# Altium PCB SNI_PROTO.PcbDoc (part 1 of 2)
Units mil, origin at the board's own origin, x right, y up, seen from the top; angles counter-clockwise.
Board outline 4370.08 x 3177.17 mil, 2 copper layers (Top Layer, Bottom Layer); 99 components, 88 nets, 695 pads, 177 vias.
Unrouted connection lines stored in the file: 1.
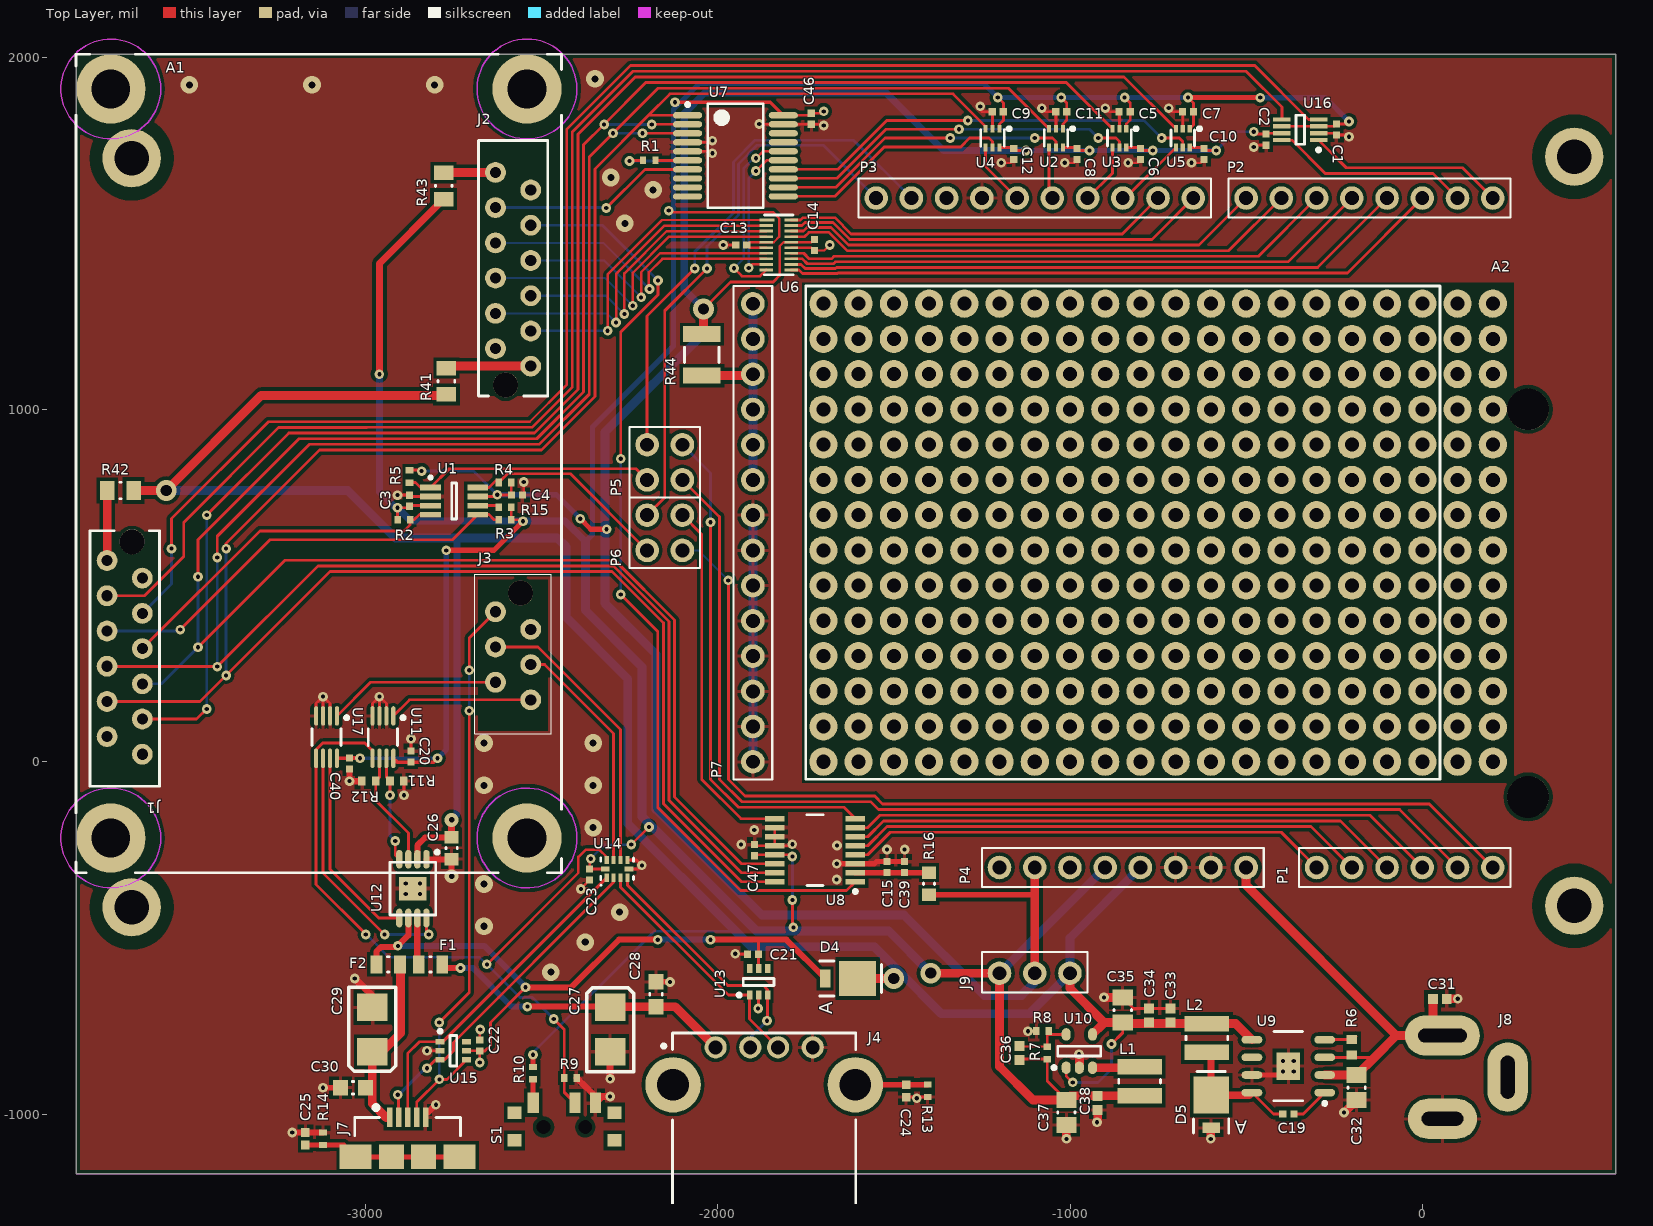
[diagram p0: Top Layer view]
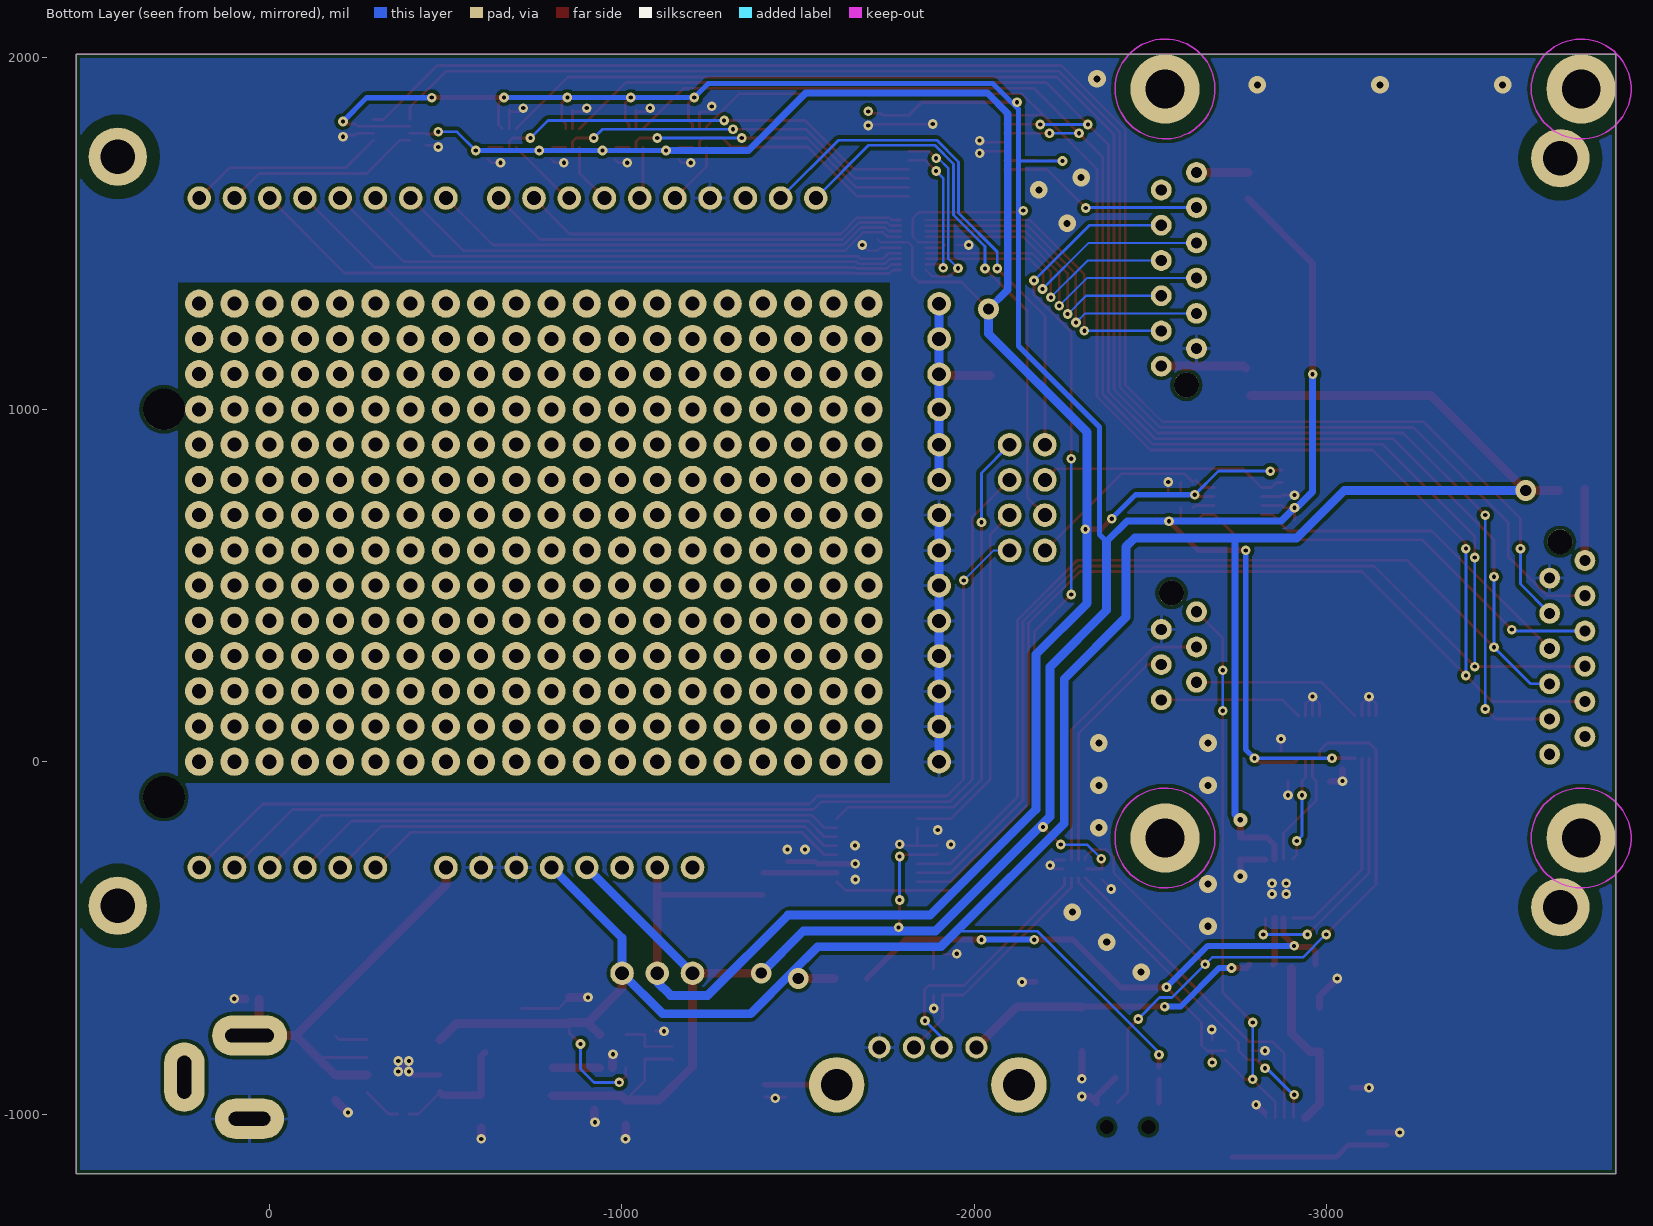
[diagram p1: Bottom Layer view, seen from below]

## Layer stack, top to bottom
Top Solder: solder mask 0.4, Solder Resist, Dk 3.5
Top Layer: signal copper 1.4
Dielectric 1: dielectric 12.6, FR-4, Dk 4.8
Bottom Layer: signal copper 1.4
Bottom Solder: solder mask 0.4, Solder Resist, Dk 3.5

## Board outline
-3820.87,2008.27 549.21,2008.27 549.21,-1168.9 -3820.87,-1168.9

## Design rules (kind name [scope] priority, off if disabled: settings)
Clearance "PolyGon Pour Clearance" [InPolyGon] p1: gap=10
Clearance [All] p2: gap=6
ComponentClearance ComponentClearance_1 [InComponent('A2')] p1: gap=0 collisioncheckmode=3 verticalgap=0 showdistances=FALSE
ComponentClearance [InComponent('A1')] p2: gap=0 collisioncheckmode=3 verticalgap=0 showdistances=FALSE
DiffPairsRouting [All] p1: maxlimit=10 minlimit=7.99 mostfreqgap=10 toplayer_minwidth=7.99 toplayer_maxwidth=15 toplayer_prefwidth=7.99 bottomlayer_minwidth=7.99 bottomlayer_maxwidth=15 bottomlayer_prefwidth=7.99 maxuncoupledlength=500
HoleSize [All] p1: absolutevalues=TRUE maxlimit=314.96 minlimit=1 maxpercent=80.000 minpercent=20.000
MinimumSolderMaskSliver SilkscreenOverComponentPads [All] p2: minsoldermaskwidth=10
PolygonConnect ViaConnect [IsVia] p1: connectstyle=Direct reliefconductorwidth=10 reliefentries=4 polygonreliefangle="90 Angle" airgapwidth=10
PolygonConnect PolygonConnect_1 [All] p2: connectstyle=Relief reliefconductorwidth=10 reliefentries=4 polygonreliefangle="90 Angle" airgapwidth=10
RoutingVias [All] p1: holewidth=19.68 width=47.24 viastyle="Through Hole" minholewidth=11.81 minwidth=27.56 maxholewidth=39.37 maxwidth=66.93
SilkToSolderMaskClearance [IsPad] p1: minsilkscreentomaskgap=3.94 clearancetoexposedcopper=TRUE
SolderMaskExpansion [All] p1: expansion=4
Width [All] p1: maxlimit=50 minlimit=6 preferedwidth=8
25 further rules are at their usual default settings.

## Classes and differential pairs
component class power: C19 C31 C32 C33 C34 C35 C36 C37 C38 D4 D5 J8 J9 L1 L2 R6 R7 R8 R41 R42 U9 U10
component class SNI_PROTO_sch: C1 C2 C3 C4 C5 C6 C7 C8 C9 C10 C11 C12 C13 C14 C15 C39 C46 C47 J1 J2 P1 P2 P3 P4 P5 P6 P7 R1 R2 R3 R4 R5 R15 R16 R43 R44 U1 U2 U3 U4 U5 U6 U7 U8 U16
component class USB: C20 C21 C22 C23 C24 C25 C26 C27 C28 C29 C30 C40 F1 F2 J3 J4 J7 R9 R10 R11 R12 R13 R14 S1 U11 U12 U13 U14 U15 U17
differential pair USB1: +USB1_P -USB1_N
differential pair USB2: +USB2_P -USB2_N
differential pair USB: +USB_P -USB_N

## Components (designator, comment, footprint, x,y, rotation, side; value= is the part's Value field where it differs from the comment)
A1 "SNP-STM1" SNP-STM1 -3131.89,846.43 r90 top
A2 "AUno" PCBComponent_1 -750,650 r0 top
C1 "CAP 100nF 10V 0402(1005)" CAPC0402(1005)60_L -243.63,1794.64 r270 top
C2 "CAP 100nF 10V 0402(1005)" CAPC0402(1005)60_L -443.63,1765.64 r270 top
C3 "CAP 100nF 10V 0402(1005)" CAPC0402(1005)60_L -2874.63,740.64 r90 top
C4 "CAP 100nF 10V 0402(1005)" CAPC0402(1005)60_L -2569.63,757.31 r0 top
C5 "CAP 100nF 10V 0402(1005)" CAPC0402(1005)60_L -845,1845 r180 top
C6 "CAP 100nF 10V 0402(1005)" CAPC0402(1005)60_L -800,1725 r270 top
C7 "CAP 100nF 10V 0402(1005)" CAPC0402(1005)60_L -665,1845 r180 top
C8 "CAP 100nF 10V 0402(1005)" CAPC0402(1005)60_L -980,1725 r270 top
C9 "CAP 100nF 10V 0402(1005)" CAPC0402(1005)60_L -1205,1845 r0 top
C10 "CAP 100nF 10V 0402(1005)" CAPC0402(1005)60_L -620,1725 r90 top
C11 "CAP 100nF 10V 0402(1005)" CAPC0402(1005)60_L -1025,1845 r0 top
C12 "CAP 100nF 10V 0402(1005)" CAPC0402(1005)60_L -1160,1725 r90 top
C13 "CAP 100nF 10V 0402(1005)" CAPC0402(1005)60_L -1933.1,1466.65 r0 top
C14 "CAP 100nF 10V 0402(1005)" CAPC0402(1005)60_L -1725.43,1466.64 r90 top
C15 "CAP 100nF 10V 0402(1005)" CAPC0402(1005)60_L -1519.09,-299.02 r270 top
C19 "CAP 100nF 10V 0402(1005)" CAPC0402(1005)60_L -380.2,-1000.2 r180 top
C20 "CAP 100nF 10V 0402(1005)" CAPC0402(1005)60_L -2870.2,14.8 r270 top
C21 "CAP 100nF 10V 0402(1005)" CAPC0402(1005)60_L -1899.61,-546.22 r0 top
C22 "CAP 100nF 10V 0402(1005)" CAPC0402(1005)60_L -2675.2,-805.2 r270 top
C23 "CAP 100nF 10V 0402(1005)" CAPC0402(1005)60_L -2363.78,-319.88 r90 top
C24 "CAP 10nF 50V 0402(1005)" CAPC0402(1005)60_N -1465.16,-934.06 r90 top
C25 "CAP 10nF 50V 0402(1005)" CAPC0402(1005)60_N -3170.2,-1070.2 r270 top
C26 "CAP 2.2uF 16V 0603(1608)" CAPC0603(1608)100_N -2755.2,-245.2 r90 top
C27 "replace with 120uF" AVX-CAPC3528_V -2305.2,-760.2 r270 top
C28 "CAP 470pF 16V 0603(1608)" CAPC0603(1608)100_M -2175.2,-660.2 r270 top
C29 "replace with 120uF" AVX-CAPC3528_V -2980.2,-760.2 r90 top
C30 "CAP 470pF 16V 0603(1608)" CAPC0603(1608)100_M -3035.2,-925.2 r0 top
C31 "CAP 100nF 50V 0402(1005)" CAPC0402(1005)60_M 49.56,-673.14 r0 top
C32 "10uF" CAPC0805(2012)145_N -186.44,-925.14 r90 top
C33 "CAP 100nF 50V 0402(1005)" CAPC0402(1005)60_M -715.2,-720.2 r270 top
C34 "CAP 100nF 50V 0402(1005)" CAPC0402(1005)60_M -775.2,-720.2 r270 top
C35 "10uF" CAPC0805(2012)145_N -850.44,-705.14 r270 top
C36 "CAP 18pF 50V 0402(1005)" CAPC0402(1005)60_M -1143.7,-826.38 r270 top
C37 "10uF" CAPC0805(2012)145_N -1010.44,-995.14 r90 top
C38 "CAP 100nF 50V 0402(1005)" CAPC0402(1005)60_M -921.44,-969.14 r90 top
C39 "CAP 1uF 10V 0402(1005)" CAPC0402(1005)60_L -1469.88,-299.02 r270 top
C40 "CAP 100nF 10V 0402(1005)" CAPC0402(1005)60_L -3045.2,-5.2 r90 top
C46 "CAP 100nF 10V 0402(1005)" CAPC0402(1005)60_L -1734.2,1824.8 r270 top
C47 "CAP 100nF 10V 0402(1005)" CAPC0402(1005)60_L -1895.28,-250.98 r90 top
D4 "MBRM110ET1G" "CASE 457–04" -1630.2,-615.2 r180 top
D5 "SSB43L" "CASE 457–04" -599.44,-974.14 r270 top
F1 "MF-PSMF050X-2" RESC0805(2012)_L -2815.2,-575.2 r0 top
F2 "MF-PSMF050X-2" RESC0805(2012)_L -2935.2,-575.2 r0 top
J1 "TMM-3-0-12-1" TMM-3-0-12-1 -3683.07,295.67 r270 top
J2 "TMM-3-0-12-1" TMM-3-0-12-1 -2580.71,1398.03 r90 top
J3 "TMM-3-0-06-1" Micro-Match_6pin -2580.71,295.67 r90 top
J4 "MC32593" MC32593 -1868.11,-916.93 r0 top locked
J7 "10104111-0001LF" 10104111-0001LF -2879.92,-1121.65 r90 top locked
J8 "PJ-002BH" PJ-002BH 57.09,-777.17 r270 top locked
J9 "PRPC003SAAN-RC" PRPC003SAAN-RC -1100.2,-600.2 r180 top
L1 "EPL3015-222" EPL3015-222_L -802.44,-907.14 r270 top
L2 "4.7uH" EPL3015-222_L -611.44,-784.14 r90 top
P1 "ANALOG" H6A 199.8,-300.2 r180 top
P2 "DIGITAL" H8A 199.8,1599.8 r180 top
P3 "DIGITAL2" H10A -650.2,1599.8 r180 top
P4 "POWER" H8A -500.2,-300.2 r180 top
P5 "Header 2x2" H2x2 -2100.2,899.8 r270 top
P6 "Header 2x2" H2x2 -2100.2,699.8 r270 top
P7 "Header14" H14 -1900.2,-0.2 r90 top
R1 "10K 1% 0402(1005)" RESC0402(1005)_L -2194.2,1706.8 r180 top
R2 "2K2 1% 0402(1005)" RESC0402(1005)_L -2890.63,686.64 r180 top
R3 "2K2 1% 0402(1005)" RESC0402(1005)_L -2603.63,686.64 r0 top
R4 "2K2 1% 0402(1005)" RESC0402(1005)_L -2603.63,792.64 r0 top
R5 "2K2 1% 0402(1005)" RESC0402(1005)_L -2874.62,809.8 r90 top
R6 "100K 1% 0402(1005)" RESC0402(1005)_M -200.2,-810.2 r90 top
R7 "1M8 1% 0402(1005)" RESC0402(1005)_L -1064.44,-826.43 r270 top
R8 "402K 1% 0402(1005)" RESC0402(1005)_L -1077.87,-764.44 r0 top
R9 "10K 1% 0402(1005)" RESC0402(1005)_L -2417.91,-897.64 r180 top
R10 "5K6 5% 0402(1005)" RESC0402(1005)_L -2524.21,-883.86 r90 top
R11 "10K 1% 0402(1005)" RESC0402(1005)_N -2990.2,-55.2 r0 top
R12 "10K 1% 0402(1005)" RESC0402(1005)_N -2910.2,-55.2 r180 top
R13 "1M  1% 0402(1005)" RESC0402(1005)_L -1404.13,-934.06 r90 top
R14 "1M  1% 0402(1005)" RESC0402(1005)_L -3120.2,-1070.2 r270 top
R15 "100K 1% 0402(1005)" RESC0402(1005)_L -2603.62,721.98 r180 top
R16 "10R 1% 0603(1608)" RESC0603(1608)_N -1400.2,-346.46 r270 top
R41 "Jumper 0805(2012)" RESC0805(2012)_N -2770.2,1079.8 r270 top
R42 "Jumper 0805(2012)" RESC0805(2012)_N -3695.2,769.8 r0 top
R43 "Jumper 0805(2012)" RESC0805(2012)_N -2777.56,1634.25 r270 top
R44 "1R 5% 1210(3225)" RESC1210(3225)_N -2045.2,1154.8 r270 top
S1 "PCM12SMTR" "PCM12SMTR switch footprint" -2435.04,-968.11 r0 top
U1 "TCA9406" LSSOP-8 -2748.09,739.91 r0 top
U2 "SN74LVC1T45" SOT6_DRL -1040,1770 r270 top
U3 "SN74LVC1T45" SOT6_DRL -860,1770 r270 top
U4 "SN74LVC1T45" SOT6_DRL -1220,1770 r270 top
U5 "SN74LVC1T45" SOT6_DRL -680,1770 r270 top
U6 "TXB0108" UFDFN-20 -1826.8,1466.65 r270 top
U7 "MCP23S08-E/SS" SSOP-SS20_N -1949.63,1719.64 r0 top
U8 "ADC128S022" TSSOP16 -1723.62,-251.18 r180 top
U9 "ADP2302" SOP127P600-8N#1 -380.44,-864.14 r180 top
U10 "NCP1529ASNT1G" SOT-23-5_L -973.53,-821.18 r90 top
U11 "74LVC2G53" VSSOP8_SOT765-1 -2950.2,69.8 r270 top
U12 "AP2152A" SOP127P600-8N#2 -2865.2,-360.2 r270 top
U13 "PRTR5V0U4Y,125" SOT363_L -1883.86,-624.96 r90 top
U14 "TS3USB221" RSE10 -2285.44,-304.14 r90 top
U15 "PRTR5V0U4Y,125" SOT363_L -2750.2,-820.2 r0 top
U16 "TXB0102" VSSOP8 -346.63,1793.64 r180 top
U17 "74LVC2G53" VSSOP8_SOT765-1 -3110.2,69.8 r270 top

## Footprints (in the part's own frame and the unit in brackets; to place one, negate y for a bottom-side part, rotate by r counter-clockwise, add the part's x,y. Pads: shape width x height; smd on the part's side, far side on the other; paste and mask are expansions set on the pad)
10104111-0001LF [mm]
  rect 1.4x0.4 smd: 1(2.85,1.3) 2(2.85,0.65) 3(2.85,0) 4(2.85,-0.65) 5(2.85,-1.3)
  rect 1.778x2.3 smd: 6(0,-3.75) 7(0,3.75)
  rect 1.778x1.8 smd: 8(0,1.15) 9(0,-1.15)
  silkscreen extent 1.52,-3.81 3.68,3.81, body extent -2.78,-4.4 2.85,4.4, height 2.76
AVX-CAPC3528_V [mm] "SMT Capacitor, 2 Leads, Body 3.5x2.8mm"
  rect 2x2.2 smd: 1(-1.6,0) 2(1.6,0)
  silkscreen extent -3,-1.7 3.05,1.7, body extent -1.79,-1.54 1.8,1.54, height 1.9
CAPC0402(1005)60_L [mm] "Chip Capacitor, Body 1.0x0.5mm, Height 0.6mm, IPC High Density"
  rect 0.52x0.52 smd: 1(-0.4,0) 2(0.4,0)
  body extent -0.55,-0.3 0.55,0.3, height 0.6
CAPC0402(1005)60_M [mm] "Chip Capacitor, Body 1.0x0.5mm, Height 0.6mm, IPC Low Density"
  rect 0.72x0.72 smd: 1(-0.5,0) 2(0.5,0)
  body extent -0.55,-0.3 0.55,0.3, height 0.6
CAPC0402(1005)60_N [mm] "Chip Capacitor, Body 1.0x0.5mm, Height 0.6mm, IPC Medium Density"
  rect 0.62x0.62 smd: 1(-0.45,0) 2(0.45,0)
  body extent -0.55,-0.3 0.55,0.3, height 0.6
CAPC0603(1608)100_M [mm] "Chip Capacitor, Body 1.6x0.8mm, Height 1.0mm, IPC Low Density"
  rect 1.1x1.1 smd: 1(-0.9,0) 2(0.9,0)
  silkscreen extent -0.05,-0.45 0.05,0.45, body extent -0.87,-0.47 0.88,0.48, height 1
CAPC0603(1608)100_N [mm] "Chip Capacitor, Body 1.6x0.8mm, Height 1.0mm, IPC Medium Density"
  rect 0.9x1 smd: 1(-0.8,0) 2(0.8,0)
  silkscreen extent -0.05,-0.4 0.05,0.4, body extent -0.87,-0.48 0.88,0.47, height 1
CAPC0805(2012)145_N [mm] "Chip Capacitor, Body 2.0x1.2mm, Height 1.45mm, IPC Medium Density"
  rect 1.15x1.45 smd: 1(-0.9,0) 2(0.9,0)
  silkscreen extent -0.05,-0.62 0.05,0.63, body extent -1.1,-0.72 1.1,0.73, height 1.45
"CASE 457–04" [mil] "Powermite, Plastic Package, 2.05 x 3.90 mm"
  rect 105.12x100 smd: 1(-27.56,0)
  rect 30x50 smd: 2(65,0)
  silkscreen extent -95,-50 80,50, body extent -78,-40 75,40, height 45
EPL3015-222_L [mm] "Inductor, Shielded, SMT, EPL3015 Series, 3 x 3 x 1.55 mm"
  rect 1.12x3.2 smd: 1(-1.04,0) 2(1.04,0)
  silkscreen extent -0.13,-1.5 0.13,1.5, body extent -1.6,-1.6 1.6,1.6, height 1.55
H2x2 [mm]
  round 1.7 hole 1: 1(0,0) 2(2.54,0) 3(0,-2.54) 4(2.54,-2.54)
  silkscreen extent -1.27,-3.81 3.81,1.27, body extent -1.27,-3.81 3.81,1.27, height 9.27
H6A [mm]
  round 1.7 hole 1: 1(0,0) 2(2.54,0) 3(5.08,0) 4(7.62,0) 5(10.16,0) 6(12.7,0)
  silkscreen extent -1.27,-1.4 13.97,1.4, body extent -1.27,-1.27 13.97,1.27, height 8.5
H8A [mm]
  round 1.7 hole 1: 1(0,0) 2(2.54,0) 3(5.08,0) 4(7.62,0) 5(10.16,0) 6(12.7,0) 7(15.24,0) 8(17.78,0)
  silkscreen extent -1.27,-1.4 19.05,1.4, body extent -1.27,-1.27 19.05,1.27, height 8.5
H10A [mm]
  round 1.7 hole 1: 1(0,0) 2(2.54,0) 3(5.08,0) 4(7.62,0) 5(10.16,0) 6(12.7,0) 7(15.24,0) 8(17.78,0) 9(20.32,0) 10(22.86,0)
  silkscreen extent -1.27,-1.42 24.13,1.4, body extent -1.27,-1.27 24.13,1.27, height 8.5
H14 [mm]
  round 1.7 hole 1: 1(0,0) 2(2.54,0) 3(5.08,0) 4(7.62,0) 5(10.16,0) 6(12.7,0) 7(15.24,0) 8(17.78,0) 9(20.32,0) 10(22.86,0) 11(25.4,0) 12(27.94,0) 13(30.48,0) 14(33.02,0)
  silkscreen extent -1.27,-1.4 34.29,1.4, body extent -1.4,-1.25 34.41,1.25, height 8.5
LSSOP-8 [mm]
  rect 1.5x0.4 smd mask+0.07: 1(-1.7,0.975) 2(-1.7,0.325) 3(-1.7,-0.325) 4(-1.7,-0.975) 5(1.7,-0.975) 6(1.7,-0.325) 7(1.7,0.325) 8(1.7,0.975)
  silkscreen extent -1.8,-1.3 0.18,1.8, body extent -2.1,-1.52 2.1,1.53, height 1.3
MC32593 [mm] "USB, Type A, Right Angle, THT"
  round 1.6 hole 1: 1(-3.5,2.7) 2(-1,2.7) 3(1,2.7) 4(3.5,2.7)
  round 4 hole 2.3: 5(6.57,0) 6(-6.57,0)
  silkscreen extent -7.37,-10.26 6.6,3.74, body extent -8.12,-10.26 8.12,3.74, height 7.67
Micro-Match_6pin [mm] "Micro-Match male 6 pin  Through Hole Vertical, Pitch 1.27mm"
  round 1.8 hole 1.8 paste+0 mask+0: 0(4.648,-0.533)
  round 1.5 hole 0.8: 1(3.302,1.27) 2(2.032,-1.27) 3(0.762,1.27) 4(-0.508,-1.27) 5(-1.778,1.27) 6(-3.048,-1.27)
  silkscreen extent -5.5,-2.75 6,2.75, body extent -5.21,-2.5 5.59,2.5, height 6.8
PCBComponent_1 [mil]
  round 80 hole 40: 0(-950,650) 1(-850,650) 2(-750,650) 3(-650,650) 4(-550,650) 5(-450,650) 6(-350,650) 7(-250,650) 8(-150,650) 9(-50,650) 10(50,650) 11(150,650) 12(250,650) 13(350,650) 14(450,650) 15(550,650) 16(650,650) 17(750,650) 18(850,650) 19(950,650) 20(-950,550) 21(-850,550) 22(-750,550) 23(-650,550) 24(-550,550) 25(-450,550) 26(-350,550) 27(-250,550) 28(-150,550) 29(-50,550) 30(50,550) 31(150,550) 32(250,550) 33(350,550) 34(450,550) 35(550,550) 36(650,550) 37(750,550) 38(850,550) 39(950,550) 40(-950,450) 41(-850,450) 42(-750,450) 43(-650,450) 44(-550,450) 45(-450,450) 46(-350,450) 47(-250,450) 48(-150,450) 49(-50,450) 50(50,450) 51(150,450) 52(250,450) 53(350,450) 54(450,450) 55(550,450) 56(650,450) 57(750,450) 58(850,450) 59(950,450) 60(-950,350) 61(-850,350) 62(-750,350) 63(-650,350) 64(-550,350) 65(-450,350) 66(-350,350) 67(-250,350) 68(-150,350) 69(-50,350) 70(50,350) 71(150,350) 72(250,350) 73(350,350) 74(450,350) 75(550,350) 76(650,350) 77(750,350) 78(850,350) 79(950,350) 80(-950,250) 81(-850,250) 82(-750,250) 83(-650,250) 84(-550,250) 85(-450,250) 86(-350,250) 87(-250,250) 88(-150,250) 89(-50,250) 90(50,250) 91(150,250) 92(250,250) 93(350,250) 94(450,250) 95(550,250) 96(650,250) 97(750,250) 98(850,250) 99(950,250) 100(-950,150) 101(-850,150) 102(-750,150) 103(-650,150) 104(-550,150) 105(-450,150) 106(-350,150) 107(-250,150) 108(-150,150) 109(-50,150) 110(50,150) 111(150,150) 112(250,150) 113(350,150) 114(450,150) 115(550,150) 116(650,150) 117(750,150) 118(850,150) 119(950,150) 120(-950,50) 121(-850,50) 122(-750,50) 123(-650,50) 124(-550,50) 125(-450,50) 126(-350,50) 127(-250,50) 128(-150,50) 129(-50,50) 130(50,50) 131(150,50) 132(250,50) 133(350,50) 134(450,50) 135(550,50) 136(650,50) 137(750,50) 138(850,50) 139(950,50) 140(-950,-50) 141(-850,-50) 142(-750,-50) 143(-650,-50) 144(-550,-50) 145(-450,-50) 146(-350,-50) 147(-250,-50) 148(-150,-50) 149(-50,-50) 150(50,-50) 151(150,-50) 152(250,-50) 153(350,-50) 154(450,-50) 155(550,-50) 156(650,-50) 157(750,-50) 158(850,-50) 159(950,-50) 160(-950,-150) 161(-850,-150) 162(-750,-150) 163(-650,-150) 164(-550,-150) 165(-450,-150) 166(-350,-150) 167(-250,-150) 168(-150,-150) 169(-50,-150) 170(50,-150) 171(150,-150) 172(250,-150) 173(350,-150) 174(450,-150) 175(550,-150) 176(650,-150) 177(750,-150) 178(850,-150) 179(950,-150) 180(-950,-250) 181(-850,-250) 182(-750,-250) 183(-650,-250) 184(-550,-250) 185(-450,-250) 186(-350,-250) 187(-250,-250) 188(-150,-250) 189(-50,-250) 190(50,-250) 191(150,-250) 192(250,-250) 193(350,-250) 194(450,-250) 195(550,-250) 196(650,-250) 197(750,-250) 198(850,-250) 199(950,-250) 200(-950,-350) 201(-850,-350) 202(-750,-350) 203(-650,-350) 204(-550,-350) 205(-450,-350) 206(-350,-350) 207(-250,-350) 208(-150,-350) 209(-50,-350) 210(50,-350) 211(150,-350) 212(250,-350) 213(350,-350) 214(450,-350) 215(550,-350) 216(650,-350) 217(750,-350) 218(850,-350) 219(950,-350) 220(-950,-450) 221(-850,-450) 222(-750,-450) 223(-650,-450) 224(-550,-450) 225(-450,-450) 226(-350,-450) 227(-250,-450) 228(-150,-450) 229(-50,-450) 230(50,-450) 231(150,-450) 232(250,-450) 233(350,-450) 234(450,-450) 235(550,-450) 236(650,-450) 237(750,-450) 238(850,-450) 239(950,-450) 240(-950,-550) 241(-850,-550) 242(-750,-550) 243(-650,-550) 244(-550,-550) 245(-450,-550) 246(-350,-550) 247(-250,-550) 248(-150,-550) 249(-50,-550) 250(50,-550) 251(150,-550) 252(250,-550) 253(350,-550) 254(450,-550) 255(550,-550) 256(650,-550) 257(750,-550) 258(850,-550) 259(950,-550) 260(-950,-650) 261(-850,-650) 262(-750,-650) 263(-650,-650) 264(-550,-650) 265(-450,-650) 266(-350,-650) 267(-250,-650) 268(-150,-650) 269(-50,-650) 270(50,-650) 271(150,-650) 272(250,-650) 273(350,-650) 274(450,-650) 275(550,-650) 276(650,-650) 277(750,-650) 278(850,-650) 279(950,-650)
  silkscreen extent -1000,-700 800,700
"PCM12SMTR switch footprint" [mm] "PCM12SMTR switch footprint"
  rect 1x0.9 smd: 0(-3.6,-2.7) 0(-3.6,-0.7) 0(3.6,-2.7) 0(3.6,-0.7)
  round 0.5 on Top Overlay: 0(-3.24,0.503)
  rect 0.5x0.5 hole 1: 0(-1.5,-1.75) 0(1.5,-1.75)
  rect 0.8x1.5 smd: 1(-2.25,0) 2(0.75,0) 3(2.25,0)
  body extent -3.37,-4.5 3.38,-0.5, height 1.4
PJ-002BH [mm]
  oval 2.9x5.4 hole 1 slot 3.5 at 90 deg: 1(0,0)
  oval 2.9x5 hole 1 slot 3 at 90 deg: 2(6,0)
  oval 5x2.9 hole 1 slot 3.1 at 0 deg: 3(3,4.7)
  silkscreen extent 13,-4.7 13.7,4.7, body extent -0.7,-4.6 13.7,4.8, height 11
PRPC003SAAN-RC [mm] "Pin header 3 pin 2.54 mm pitch"
  round 1.7 hole 1: 1(-2.54,0) 2(0,0) 3(2.54,0)
  silkscreen extent -3.81,-1.52 3.81,1.4, body extent -3.81,-1.52 3.81,1.4, height 8.51
RESC0402(1005)_L [mm] "Chip Resistor, Body 1.0x0.5mm, IPC High Density"
  rect 0.45x0.55 smd: 1(-0.45,0) 2(0.45,0)
  body extent -0.52,-0.27 0.53,0.28, height 0.4
RESC0402(1005)_M [mm] "Chip Resistor, Body 1.0x0.5mm, IPC Low Density"
  rect 0.65x0.75 smd: 1(-0.55,0) 2(0.55,0)
  body extent -0.52,-0.28 0.53,0.28, height 0.4
RESC0402(1005)_N [mm] "Chip Resistor, Body 1.0x0.5mm, IPC Medium Density"
  rect 0.55x0.65 smd: 1(-0.5,0) 2(0.5,0)
  body extent -0.52,-0.27 0.53,0.28, height 0.4
RESC0603(1608)_N [mm] "Chip Resistor, Body 1.6x0.8mm, IPC Medium Density"
  rect 0.9x1 smd: 1(-0.8,0) 2(0.8,0)
  silkscreen extent -0.05,-0.4 0.05,0.4, body extent -0.85,-0.47 0.85,0.47, height 0.6
RESC0805(2012)_L [mm] "Chip Resistor, Body 2.0x1.3mm, IPC High Density"
  rect 0.85x1.3 smd: 1(-0.85,0) 2(0.85,0)
  silkscreen extent -0.05,-0.55 0.05,0.55, body extent -1.1,-0.67 1.1,0.68, height 0.7
RESC0805(2012)_N [mm] "Chip Resistor, Body 2.0x1.3mm, IPC Medium Density"
  rect 1.05x1.4 smd: 1(-0.95,0) 2(0.95,0)
  silkscreen extent -0.05,-0.6 0.05,0.6, body extent -1.1,-0.67 1.1,0.68, height 0.7
RESC1210(3225)_N [mm] "Chip Resistor, Body 3.2x2.5mm, IPC Medium Density"
  rect 1.15x2.7 smd: 1(-1.5,0) 2(1.5,0)
  silkscreen extent -0.55,-1.25 0.55,1.25, body extent -1.7,-1.35 1.7,1.35, height 0.71
RSE10 [mm] "QFN, 10-Leads, Body 1.5x2mm, Pitch 0.5mm, TI Recommended"
  rect 0.58x0.3 smd paste-0.025 mask+0.05: 1(-0.64,0.75) 2(-0.64,0.25) 3(-0.64,-0.25) 4(-0.64,-0.75) 6(0.64,-0.75) 7(0.64,-0.25) 8(0.64,0.25) 9(0.64,0.75)
  rect 0.35x0.63 smd paste-0.025 mask+0.05: 5(0,-0.86) 10(0,0.86)
  silkscreen extent -1.22,-1.17 0.77,1.22, body extent -0.77,-1.02 0.78,1.03, height 0.6
SNP-STM1 [mm]
  round 5 hole 2.8: 0(-27,-15) 0(-27,15) 0(27,-15) 0(27,15)
  Top Layer keep-out circle w0.102: c27,15 r3.6
  Top Layer keep-out circle w0.102: c-27,15 r3.6
  Top Layer keep-out lines w0.102: 26.375,-11.455 cw(c27,-15) 27.035,-18.6 cw(c27,-15) 27,-18.6 cw(c27,-15) 25.21,-18.124 cw(c27,-15) 24.828,-17.871 cw(c27,-15) 26.375,-11.455 ; -28.55,-11.751 cw(c-27,-15) -25.45,-11.751 cw(c-27,-15) -25.376,-11.787 cw(c-27,-15) -27,-18.6 cw(c-27,-15) -28.624,-11.787 cw(c-27,-15) -28.55,-11.751
  Bottom Layer keep-out circle w0.102: c27,15 r3.6
  Bottom Layer keep-out circle w0.102: c-27,15 r3.6
  Bottom Layer keep-out circle w0.102: c-27,-15 r3.6
  Bottom Layer keep-out lines w0.102: 25.268,-18.156 cw(c27,-15) 27,-18.6 cw(c27,-15) 25.268,-18.156
  silkscreen extent -29.5,-17.5 29.5,17.5
SOP127P600-8N#1 [mm]
  oval 1.5x0.55 smd: 1(-2.625,1.905) 2(-2.625,0.635) 3(-2.625,-0.635) 4(-2.625,-1.905) 5(2.625,-1.905) 6(2.625,-0.635) 7(2.625,0.635) 8(2.625,1.905)
  rect 1.7x2 smd: 9(0,0)
  silkscreen extent -2.75,-2.5 1.02,2.8, body extent -3,-2.45 3,2.45, height 1.7
SOP127P600-8N#2 [mm]
  oval 1.35x0.45 smd: 1(-2.117,0.975) 2(-2.117,0.325) 3(-2.117,-0.325) 4(-2.117,-0.975) 5(2.117,-0.975) 6(2.117,-0.325) 7(2.117,0.325) 8(2.117,0.975)
  rect 1.7x2 smd: 9(0,0)
  silkscreen extent -2.75,-1.65 1.9,1.88, body extent -2.45,-1.5 2.45,1.5, height 1.15
SOT6_DRL [mm]
  rect 0.55x0.3 smd mask+0.05: 1(-0.675,0.5) 2(-0.675,0) 3(-0.675,-0.5) 4(0.675,-0.5) 5(0.675,0) 6(0.675,0.5)
  silkscreen extent -0.8,-0.85 0.58,1.33, body extent -0.8,-0.8 0.8,0.8, height 0.6
SOT363_L [mm] "SOT363, 6-Leads, Body 2x1.3mm, Pitch 0.65mm, Lead Span 2.1mm, IPC High Density"
  rect 0.65x0.4 smd: 1(-0.95,0.65) 2(-0.95,0) 3(-0.95,-0.65) 4(0.95,-0.65) 5(0.95,0) 6(0.95,0.65)
  silkscreen extent -1.07,-1.1 0.25,1.52, body extent -0.7,-1.1 0.7,1.1, height 1.1
SOT-23-5_L [mm] "SOT23, 5-Leads, Body 2.9x1.6mm, Pitch 0.95mm, Lead Span 2.7mm, IPC High Density"
  oval 0.9x0.65 smd: 1(-1.2,0.95) 2(-1.2,0) 3(-1.2,-0.95) 4(1.2,-0.95) 5(1.2,0.95)
  silkscreen extent -1.32,-1.55 0.35,1.95, body extent -0.9,-1.55 0.9,1.55, height 1.45
SSOP-SS20_N [mm] "SOP, 20-Leads, Body 7.2x5.2mm, Pitch 0.65mm, IPC Medium Density"
  oval 2.1x0.45 smd: 1(-3.45,2.925) 2(-3.45,2.275) 3(-3.45,1.625) 4(-3.45,0.975) 5(-3.45,0.325) 6(-3.45,-0.325) 7(-3.45,-0.975) 8(-3.45,-1.625) 9(-3.45,-2.275) 10(-3.45,-2.925) 11(3.45,-2.925) 12(3.45,-2.275) 13(3.45,-1.625) 14(3.45,-0.975) 15(3.45,-0.325) 16(3.45,0.325) 17(3.45,0.975) 18(3.45,1.625) 19(3.45,2.275) 20(3.45,2.925)
  silkscreen extent -3.57,-3.75 2,3.82, body extent -2.7,-3.75 2.7,3.75, height 2
TMM-3-0-12-1 [mm]
  round 1.5 hole 0.8: 1(-6.996,-1.27) 2(-5.726,1.27) 3(-4.456,-1.27) 4(-3.186,1.27) 5(-1.916,-1.27) 6(-0.646,1.27) 7(0.624,-1.27) 8(1.894,1.27) 9(3.164,-1.27) 10(4.434,1.27) 11(5.704,-1.27) 12(6.974,1.27)
  round 1.8 hole 1.8 unplated paste+0 mask+0: ""(-8.345,0.535)
  silkscreen extent -9.14,-2.5 9.27,2.5, body extent -9.21,-2.5 9.21,2.5, height 6.93
TSSOP16 [mm]
  rect 1.4x0.4 smd mask+0.05: 1(-2.9,2.275) 2(-2.9,1.625) 3(-2.9,0.975) 4(-2.9,0.325) 5(-2.9,-0.325) 6(-2.9,-0.975) 7(-2.9,-1.625) 8(-2.9,-2.275) 9(2.9,-2.275) 10(2.9,-1.625) 11(2.9,-0.975) 12(2.9,-0.325) 13(2.9,0.325) 14(2.9,0.975) 15(2.9,1.625) 16(2.9,2.275)
  silkscreen extent -3.03,-2.55 0.58,3.1, body extent -3.2,-2.5 3.2,2.5, height 1.1
UFDFN-20 [mm] "R-PUSON 20 PIN"
  rect 0.2x1.1 smd: 1(-1.8,-0.85)
  rect 0.2x1 smd: 2(-1.4,-0.9) 3(-1,-0.9) 4(-0.6,-0.9) 5(-0.2,-0.9) 6(0.2,-0.9) 7(0.6,-0.9) 8(1,-0.9) 9(1.4,-0.9) 10(1.8,-0.9) 11(1.8,0.9) 12(1.4,0.9) 13(1,0.9) 14(0.6,0.9) 15(0.2,0.9) 16(-0.2,0.9) 17(-0.6,0.9) 18(-1,0.9) 19(-1.4,0.9) 20(-1.8,0.9)
  silkscreen extent -2.15,-1.02 2.15,1.02, body extent -2,-1 2,1, height 0.55
VSSOP8 [mm] "TSSOP, 8-Leads, Body 2,00x2,30mm, Pitch 0,50mm, IPC Medium Density"
  rect 1.25x0.3 smd mask+0.05: 1(-1.325,0.75) 2(-1.325,0.25) 3(-1.325,-0.25) 4(-1.325,-0.75) 5(1.325,-0.75) 6(1.325,-0.25) 7(1.325,0.25) 8(1.325,0.75)
  silkscreen extent -1.45,-1.05 0.3,1.57, body extent -1.6,-1.05 1.6,1.05, height 0.9
VSSOP8_SOT765-1 [mm]
  oval 1.4x0.3 smd mask+0.05: 1(-1.527,0.75) 2(-1.527,0.25) 3(-1.527,-0.25) 4(-1.527,-0.75) 5(1.527,-0.75) 6(1.527,-0.25) 7(1.527,0.25) 8(1.527,0.75)
  silkscreen extent -1.52,-1.05 0.6,1.58, body extent -1.62,-1.05 1.62,1.05, height 1

## Part data
A1: "SNP-STM1 Vesna Processor Module, Mechanical PCB Components without Connectors"
C1 C2 C3 C4 C5 C6 C7 C8 C9 C10 C11 C12 C13 C14 C15 C19 C20 C21 C22 C23 C40 C46 C47: library part CMP-1034-02064-1, "CAP 100nF 10V ±5% 0402 (1005 Metric) Thickness 0.6mm SMD"
C24 C25: library part CMP-1034-01886-1, "CAP 10nF 50V ±10% 0402 (1005 Metric) Thickness 0.6mm SMD"
C26: library part CMP-1035-02765-1, "CAP 2.2uF 16V ±20% 0603 (1608 Metric) Thickness 1mm SMD"
C27 C29: library part CMP-0279-00001-1, "Capacitor, Tantalum, 10uF 10% 20V MCCT-B (3528)"
C28 C30: library part CMP-1035-01663-1, "CAP 470pF 16V ±1% 0603 (1608 Metric) Thickness 1mm SMD"
C31 C33 C34 C38: library part CMP-1034-02077-1, "CAP 100nF 50V ±10% 0402 (1005 Metric) Thickness 0.6mm SMD"
C32 C35 C37: library part CMP-1036-04924-1, "CAP 10uF 10V ±20% 0805 (2012 Metric) Thickness 1.45mm SMD"
C36: library part CMP-1034-00862-1, "CAP 18pF 50V ±1% 0402 (1005 Metric) Thickness 0.6mm SMD"
C39: library part CMP-1034-02117-1, "CAP 1uF 10V ±20% 0402 (1005 Metric) Thickness 0.6mm SMD"
D4: "Diode, Schottky Power Rectifier, SMT, 1A, 10V"
D5: library part MBRM110ET1G, "Diode, Schottky Power Rectifier, SMT, 1A, 10V"
F1 F2: "PTC Resettable Fuse"
J1 J2: "PLUG, DIP, 1.27MM, 12WAY"
J3: "Micro-Match male 6 pin  Through Hole Vertical, Pitch 1.27mm"
J4: "USB, Type A, Right Angle, THT"
J7: "Micro USB 2.0, Type AB, Bottom Mount, SMT, Right Angle"
J9: "Pin header male 3 pin  Through Hole Vertical, Pitch 2.54 mm"
L1: "Shielded Power Inductors, 2.2uH, Isat 1.6A @ 30%, Irms 2A @ 40°C, 3 x 3 x 1.5mm"
L2: library part EPL3015-472MLB, "Shielded Power Inductors, 4.7uH, Isat 1.6A @ 30%, Irms 1.4A @ 40°C, 3 x 3 x 1.5mm"
P1: library part header6A
P2 P4: library part Header8A
P3: library part Header10A
P5 P6: library part Header
R1 R9 R11 R12: library part "10K 0402(1005)_1", "10K 0.063W 1% 0402 (1005 Metric)  SMD"
R2 R3 R4 R5: library part "2K2 0402(1005)", "2K2 0.063W 1% 0402 (1005 Metric)  SMD"
R6 R15: library part "100K 0402(1005)", "100K 0.063W 1% 0402 (1005 Metric)  SMD"
R7: library part "1M8 0402(1005)", "1M8 0.063W 1% 0402 (1005 Metric)  SMD"
R8: library part "402K 0402(1005)", "402K 0.063W 1% 0402 (1005 Metric)  SMD"
R10: library part CMP-1011-00092-1, "5K6 0.063W 5% 0402 (1005 Metric)  SMD"
R13 R14: library part "1M 0402(1005)", "1M  0.063W 1% 0402 (1005 Metric)  SMD"
R16: library part "10R 0603(1608)", "10R 0.1W 1% 0603 (1608 Metric)  SMD"
R41 R42 R43: library part CMP-1013-00001-1, "Jumper 0805 (2012 Metric)"
R44: library part CMP-1015-00002-1, "1R 0.5W 5% 1210 (3225 Metric)  SMD"
S1: "slide switch"
U6: "Translator, Bidirectional, 8 bits data rate 100Mbps"
U7: "8-Bit I/O Expander with Serial Interface, 20-Pin SSOP, Extended Temperature"
U10: library part NCP1529A, "1 A, 1.7 MHz Low Voltage Buck Converter"
U13 U15: "Integrated quad ultra-low capacitance ESD protection,  IEC 61000-4-2 level 4, ±8 kV contact discharge"
U14: library part CMP-0309-00017-1, "ESD Protected,High-Speed USB 2.0 (480-Mbps) 1:2 Multiplexer / Demultiplexer Switch, 1:2 Mux / Demux, 6 ohm RON, 2.5 to 3.3V, -40 to 85 degC, 10-Pin UQFN (RSE), Green (RoHS & no Sb/Br)"

## Free pads (board coordinates)
  round 165.35 hole 98.43 mask+0: 0(-3663.39,1712.99) 0(-3663.39,-412.99) 0(431.1,-409.06) 0(431.1,1716.93)
  round 118.11 hole 118.11 unplated paste+0 mask+0: 0(300,1000) 1(300,-100)

## Via types
v1: diameter 27.56, hole 11.81, Top Layer to Bottom Layer, tented both sides, 154 vias
v2: diameter 50, hole 20, Top Layer to Bottom Layer, tented both sides, 17 vias
v3: diameter 59.06, hole 31.5, Top Layer to Bottom Layer, 4 vias
v4: diameter 39.37, hole 15.75, Top Layer to Bottom Layer, 2 vias

## Nets (pads, with @x,y where several pads share a name; then routed paths per layer and width w, separated by ;. In a path a pad name is that pad's centre, name@x,y a point inside that pad or via, vN(x,y) a via of type N, cw(c..) or ccw(c..) an arc to the next point about the centre after c; other vN are vias at no path point)
3V3: C1.1 C3.1 C5.1 C7.1 C9.2 C11.2 C13.2 C20.2 C23.2 C36.2 C37.2 C38.2 C40.2 C46.1 C47.1 J9.3 L1.2 P4.5 R1.2 R2.2 R3.2 R7.2 R15.1 R43.2 U1.3 U2.1 U3.1 U4.1 U5.1 U6.5 U6.6 U7.20 U8.13 U11.8 U14.10 U16.3 U16.6 U17.8 | length 12067.7
  Top Layer w6: U6.6@-1862.23,1458.77 -1909.47,1458.77 C13.2@-1917.35,1466.65 -1909.48,1474.52 U6.5@-1862.23,1474.52
  Top Layer w7: C23.2@-2363.78,-304.13 -2363.78,-278.78 v1(-2360.2,-275.2) ; v1(-2245.2,-235.2) v1(-2195.2,-185.2) ; v1(-2138.96,1564.09) -2134.68,1559.8 -1843.53,1559.8 -1825.2,1541.47 -1825.2,1490.24 -1840.93,1474.52 U6.5@-1862.23,1474.52 ; U3.1@-840.31,1796.57 -840.31,1810.06 -829.25,1821.13 C5.1@-829.25,1845
  Top Layer w8: v1@-3015.31,9.68 v1(-3015.2,9.8) ; R2.2@-2908.34,686.64 -2908.34,720.36 v1(-2908.63,720.64) -2878.88,720.64 C3.1@-2874.63,724.89 -2872.4,727.12 U1.3@-2815.02,727.12 ; R15.1@-2585.91,721.98 R3.2@-2585.91,686.64 -2556.63,686.64 v1(-2552.63,682.64) ; C23.2@-2363.78,-304.13 U14.10@-2319.3,-304.14 ; v1(-2250.2,1704.8) -2248.2,1706.8 R1.2@-2211.91,1706.8 ; C47.1@-1895.28,-261.81 -1893.11,-263.98 U8.13@-1837.8,-263.98 -1792.76,-263.98 v1(-1787.99,-268.75) ; U7.20@-1813.8,1834.8 -1739.95,1834.8 C46.1@-1734.2,1840.55 -1704.45,1840.55 v1(-1699.2,1845.8) ; v1@-1787.99,-467.41 v1(-1787.99,-392.41) ; v1(-1205,1885) -1189.25,1869.25 C9.2@-1189.25,1845 -1189.25,1820.75 -1200.31,1809.68 U4.1@-1200.31,1796.57 ; C36.2@-1143.7,-846.06 -1141.78,-844.14 R7.2@-1064.44,-844.14 -1064.44,-905.71 C37.2@-1010.44,-959.71 ; v1(-1025,1885) -1009.25,1869.25 C11.2@-1009.25,1845 -1009.25,1821.13 -1020.31,1810.06 U2.1@-1020.31,1796.57 ; v1(-845,1885) -829.25,1869.25 C5.1@-829.25,1845 ; v1(-665,1885) -649.25,1869.25 C7.1@-649.25,1845 -649.25,1807.64 U5.1@-660.31,1796.57 ; U16.6@-398.79,1803.48 U16.3@-294.46,1803.48 -250.53,1803.48 C1.1@-243.63,1810.39 -214.8,1810.39 v1(-208.07,1817.12)
  Top Layer w10: U17.8@-3080.67,9.68 -3046.06,9.68 C40.2@-3045.2,10.55 -3016.18,10.55 v1@-3015.31,9.68 ; U11.8@-2920.67,9.68 -2910.04,-0.95 C20.2@-2870.2,-0.95 -2805.94,-0.95 v1(-2795.2,9.8) ; v1(-2121.2,1871.8) -1850.8,1871.8 U7.20@-1813.8,1834.8
  Top Layer w15: v1(-2770.2,599.8) -2635.46,599.8 v1(-2552.63,682.64) ; v1(-665,1885) -460.39,1885 v1(-460.2,1884.8)
  Top Layer w20: v1(-2960.2,1099.8) -2960.2,1414.21 R43.2@-2777.56,1596.85
  Top Layer w25: v3(-1395.2,-600.2) J9.3@-1200.2,-600.2 -1200.2,-865.2 -1105.69,-959.71 C37.2@-1010.44,-959.71 -998.82,-948.09 -921.44,-948.09 L1.2@-802.44,-948.09
  Bottom Layer w7: v1(-2360.2,-275.2) -2320.2,-235.2 v1(-2245.2,-235.2)
  Bottom Layer w8: v1(-2250.2,1704.8) -2130.2,1704.8 -2125.2,1709.8 ; v1(-1787.99,-268.75) v1(-1787.99,-392.41) v1@-1785.2,-395.2
  Bottom Layer w10: v1(-3015.2,9.8) v1(-2795.2,9.8)
  Bottom Layer w15: v1(-2795.2,9.8) -2770.2,34.8 v1(-2770.2,599.8) ; -2375.2,624.8 -2355.2,644.8 -2355.2,949.8 -2125.2,1179.8 -2125.2,1564.09 -2125.2,1709.8 -2125.2,1851.8 -2113.2,1863.8 -2052.2,1924.8 -1244.8,1924.8 v1(-1205,1885) v1(-1025,1885) v1(-845,1885) v1(-665,1885) ; v1(-460.2,1884.8) -275.75,1884.8 v1(-208.07,1817.12)
  Bottom Layer w20: v1(-2960.2,1099.8) -2960.2,766.1 -2914.74,720.64 v1(-2908.63,720.64) -2870.63,682.64 v1(-2552.63,682.64) -2433.04,682.64 -2375.2,624.8
  Bottom Layer w25: -2375.2,624.8 -2375.2,429.8 -2215.2,269.8 -2215.2,-155.2 -2190.2,-180.2 -1890.2,-480.2 -1785.2,-480.2 -1515.2,-480.2 v3(-1395.2,-600.2) ; J9.3@-1200.2,-600.2 P4.5@-900.2,-300.2
  other v1: -1785.2,-470.2
3V3_SNP: J2.12 R43.1 | length 147.2
  Top Layer w25: R43.1@-2777.56,1671.65 -2776.61,1672.61 J2.12@-2630.71,1672.61
5V_SNP: J1.1 J2.1 R41.1 R42.1 | length 446.3
  Top Layer w25: J1.1@-3733.07,571.09 -3732.6,571.57 R42.1@-3732.6,769.8 R42.1@-3732.6,774.8 ; R41.1@-2770.2,1117.2 -2763.98,1123.42 -2531.52,1123.42 J2.1@-2530.71,1122.61
A0: P1.6 U8.4 | length 1377.3
  Top Layer w8: U8.4@-1609.45,-263.98 -1574.26,-263.98 -1510.28,-200 -400.39,-200 P1.6@-300.2,-300.2
A1: P1.5 U8.5 | length 1479.9
  Top Layer w8: U8.5@-1609.45,-238.39 -1574.26,-238.39 -1519.87,-184 -316.39,-184 P1.5@-200.2,-300.2
A2: P1.4 U8.6 | length 1582.6
  Top Layer w8: U8.6@-1609.45,-212.8 -1574.26,-212.8 -1529.46,-168 -232.39,-168 P1.4@-100.2,-300.2
A3: P1.3 U8.7 | length 1685.2
  Top Layer w8: U8.7@-1609.45,-187.2 -1574.26,-187.2 -1539.06,-152 -148.39,-152 P1.3@-0.2,-300.2
A4: P5.1 U8.8 | length 1439.8
  Top Layer w8: v1@-2020.01,679.8 -2020.01,-50.2 -1941.07,-129.13 -1641.93,-129.13 U8.8@-1609.45,-161.61
  Bottom Layer w8: P5.1@-2100.2,899.8 -2020.2,819.8 v1(-2020.2,679.8)
A4A: P1.2 P5.2 | length 3091.2
  Top Layer w8: P5.2@-2100.2,799.8 -1996.42,696.02 ; -1994.82,696.02 -1994.82,-50.2 -1931.63,-113.39 -1566.14,-113.39 -1543.53,-136 -64.39,-136 P1.2@99.8,-300.2
A4B: P3.9 P5.3 | length 1502.5
  Top Layer w8: P5.3@-2200.2,899.8 -2200.2,1264.8 v1(-2065.2,1399.8)
  Bottom Layer w8: v1(-2065.2,1399.8) -2065.2,1447.6 -1955.2,1557.6 -1955.2,1702.5 -1893.89,1763.8 -1614.2,1763.8 P3.9@-1450.2,1599.8
A5: P6.1 U8.9 | length 1026.3
  Top Layer w8: P6.1@-2100.2,699.8 -2045.2,644.8 -2045.2,-50.2 -1933.78,-161.61 U8.9@-1837.8,-161.61
A5A: P1.1 P6.2 | length 3003.4
  Top Layer w6: v1(-1970.2,514.8) -1969.63,514.23 v1@-1969.63,501.64
  Top Layer w8: v1@-1969.63,501.64 -1969.63,-50.2 -1922.18,-97.64 -1554.33,-97.64 -1531.97,-120 19.61,-120 P1.1@199.8,-300.2
  Bottom Layer w6: P6.2@-2100.2,599.8 -2055.2,599.8 v1(-1970.2,514.8)
A5B: P3.10 P6.3 | length 1604.3
  Top Layer w8: P6.3@-2200.2,699.8 -2150.2,749.8 -2150.2,1279.8 v1(-2030.2,1399.8)
  Bottom Layer w8: P6.3@-2200.2,699.8 P6.3@-2175.2,699.8 ; v1(-2030.2,1399.8) -2030.2,1462.8 -1941.2,1551.8 -1941.2,1696.7 -1888.09,1749.8 -1700.2,1749.8 P3.10@-1550.2,1599.8
AREF: P3.8
D2: P2.3 U6.11 | length 1884.1
  Top Layer w7.87: U6.11@-1791.37,1395.78 -1769.72,1395.78 -1759.59,1385.65 -1659.96,1385.65 -1658.59,1387.02 -212.98,1387.02 P2.3@-0.2,1599.8
D3: P2.4 U6.12 | length 1779.1
  Top Layer w7.87: U6.12@-1791.37,1411.53 -1763.62,1411.53 -1751.61,1399.52 -1665.71,1399.52 -1662.34,1402.89 -297.11,1402.89 P2.4@-100.2,1599.8
D4: P2.5 U6.13 | length 1674.1
  Top Layer w7.87: U6.13@-1791.37,1427.28 -1759.75,1427.28 -1745.87,1413.4 -1671.45,1413.4 -1666.08,1418.77 -381.23,1418.77 P2.5@-200.2,1599.8